# KiCad board HandheldPIC32.kicad_pcb (continued)
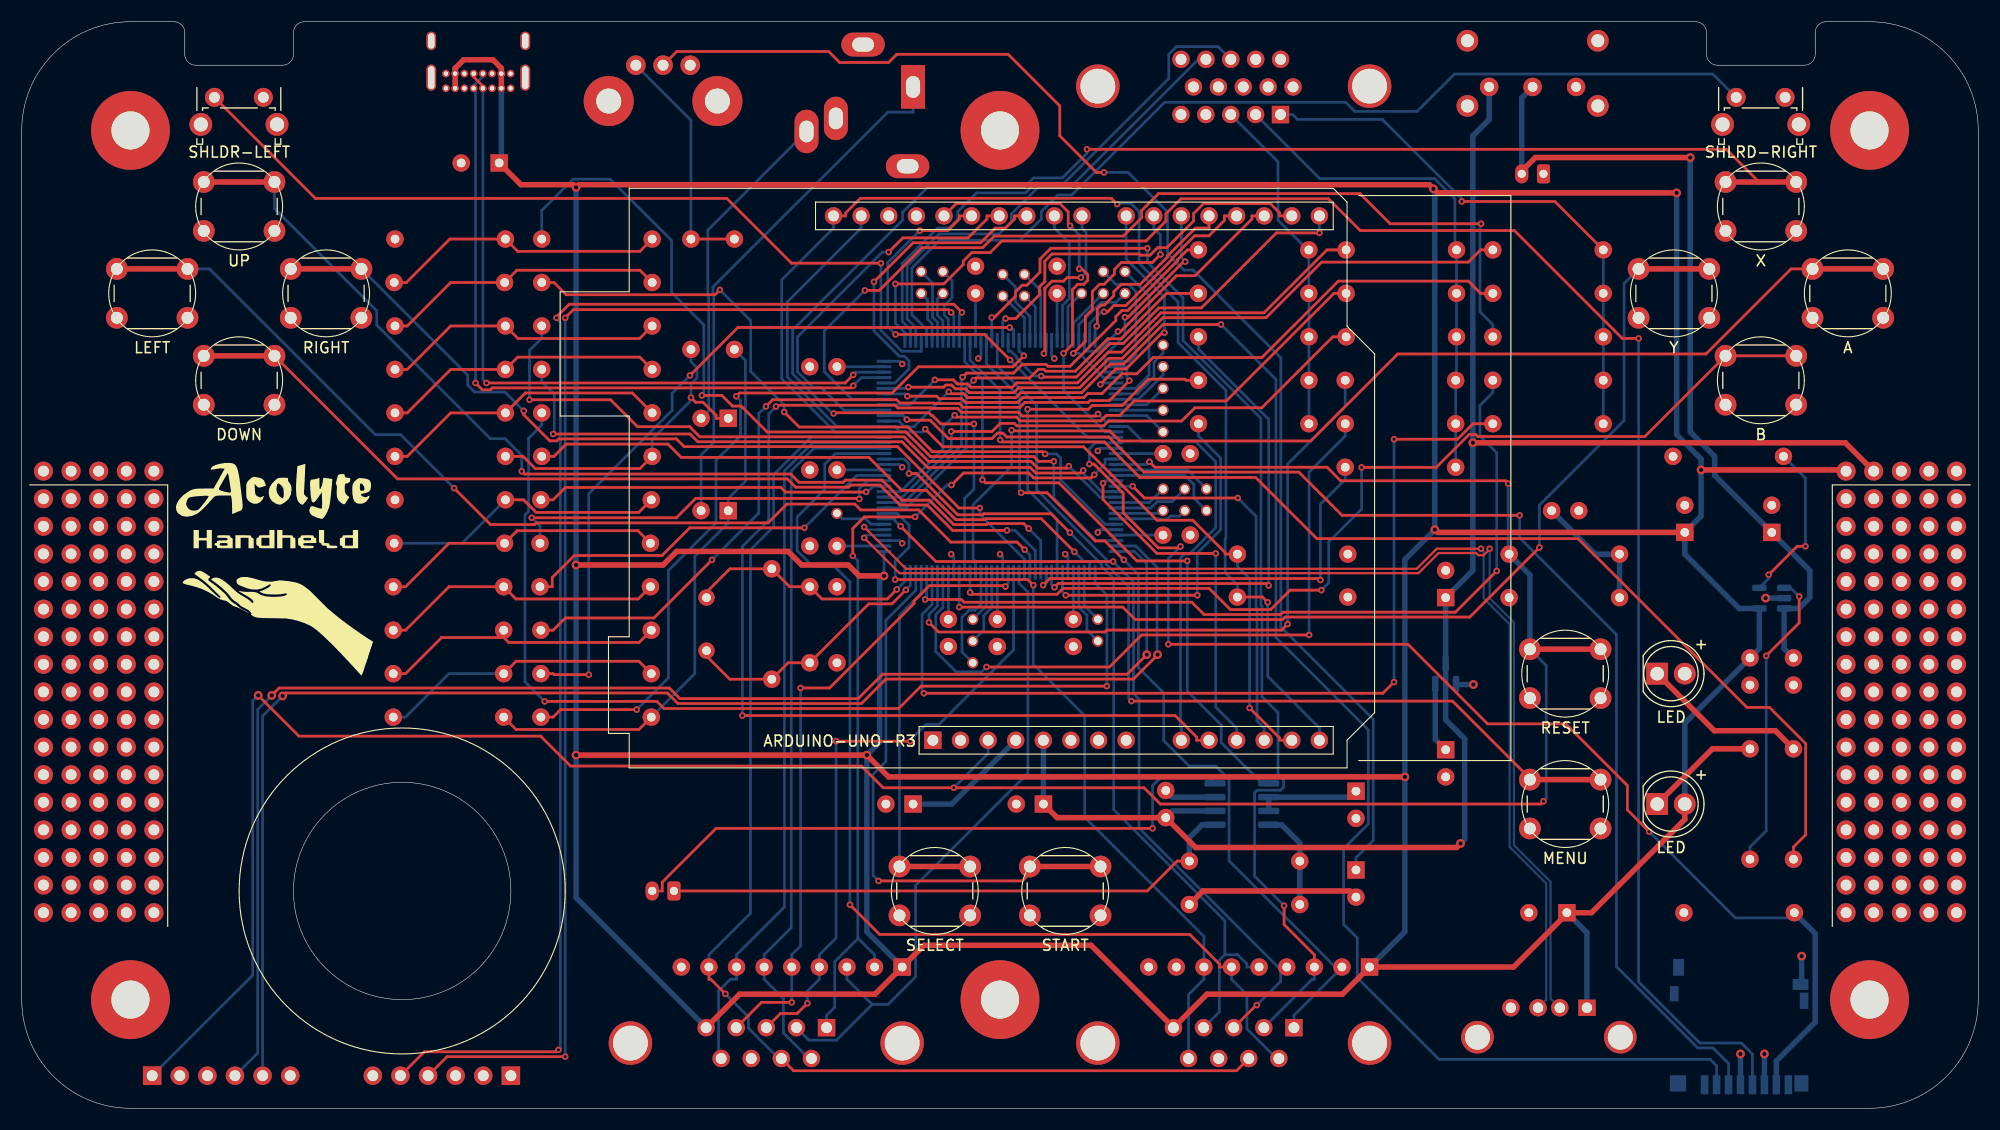
[diagram p0: board, top side]
## Routing (per net, layer and track width the routed paths; a pad name or vN(x,y) marks a point on that pad's centre or on a via; arc(x,y) is an arc through that point) (continued)
CLKO: length 22.3
  Top w0.25: Y1.2 63,47.5 65.15,49.65 R9.2 70.65,48 C3.1 73.62,46.88 79.62,46.88 v1(80.5,47.75)
  Bottom w0.25: v1(80.5,47.75) 81.25,48.5 U1.72
D+: length 106.1
  Top w0.2: v1(134.25,51.5) 130.18,51.5 128.33,49.65 81.35,49.65 v1(77.5,53.5)
  Bottom w0.2: v1(134.25,51.5) 134.5,51.25 134.5,46.93 136.88,44.55 136.88,24.05 140.25,20.68 140.25,10 J6.3 ; v1(77.5,53.5) 77.75,53.25 U1.77
D-: length 106.9
  Top w0.2: v1(135.05,51.5) 135.05,51.45 134.5,50.9 134,50.9 133.8,51.1 130.35,51.1 128.5,49.25 80.75,49.25 v1(77.5,52.5)
  Bottom w0.2: v1(135.05,51.5) 135.05,46.95 137.28,44.72 137.28,24.22 140.65,20.85 140.65,10.1 J6.2 ; v1(77.5,52.5) 77.75,52.75 U1.76
FT232RL-RX: length 119.9
  Top w0.25: v1(50,72.75) 50.75,73.5 85.25,73.5 v1(85.5,73.25) ; J3.4 39.13,4.75 v1(50,4.75)
  Bottom w0.25: U1.118 85.75,73 v1(85.5,73.25) ; v1(50,72.75) v1(50,4.75)
FT232RL-TX: length 124
  Top w0.25: v1(86.5,73.25) 85.75,74 50.37,74 49.38,73.01 49.38,72.92 v1(49.2,72.75) ; v1(49.38,5.38) 49.2,5.2 37.04,5.2 J3.5
  Bottom w0.25: v1(86.5,73.25) 86.25,73 U1.119 ; v1(49.2,72.75) 49.2,72.67 49.55,72.32 49.55,5.55 v1(49.38,5.38)
GREEN: length 46.3
  Bottom w0.25: J1.2 119.41,85.57 129.98,85.57 131.85,83.69 131.85,79.15 R5.1 R4.1 R3.1 132,67.08 R15.1 R14.1 R13.1
GREEN-A: length 49
  Top w0.25: R5.2 120.08,79 114.29,73.21 104.8,73.21 101.19,69.6 99.97,69.6 97.13,66.76 91.54,66.76 91.13,66.36 87.32,66.36 87.02,66.66 86.07,66.66 85.7,67.04 v1(84.01,67.04)
  Bottom w0.25: U1.100 81.72,64.75 v1(84.01,67.04)
GREEN-B: length 51.7
  Top w0.25: R4.2 120.71,75 110.81,65.1 102.35,65.1 101.02,63.77 99.78,63.77 99.27,63.26 91.86,63.26 91.51,63.61 86,63.61 v1(85.83,63.79)
  Bottom w0.25: v1(85.83,63.79) 84.76,62.72 84.76,60.66 80.85,56.75 U1.84
GREEN-C: length 49.7
  Top w0.25: v1(85.52,62.29) 89.27,62.29 90.01,63.03 91.32,63.03 91.54,62.81 99.55,62.81 99.99,63.25 106.71,63.25 107.93,64.47 114.09,64.47 120.62,71 R3.2
  Bottom w0.25: v1(85.52,62.29) 85.52,60.74 81.02,56.25 U1.83
GREEN-D: length 63.2
  Top w0.25: v1(116.46,44.56) 115.91,44.01 99.83,44.01 99.66,43.83 84.35,43.83 v1(83.46,44.72)
  Bottom w0.25: U1.66 84.25,46.23 83.46,45.45 v1(83.46,44.72) ; R15.2 121.76,64.59 116.46,59.29 v1(116.46,44.56)
GREEN-E: length 64.9
  Top w0.25: v1(118.44,43.56) 103.02,43.56 100.08,40.62 v1(88.76,40.62)
  Bottom w0.25: R14.2 121.76,61.87 118.44,58.55 v1(118.44,43.56) ; U1.65 84.75,46.1 84.09,45.44 84.09,42.04 85.96,40.17 88.31,40.17 v1(88.76,40.62)
GREEN-F: length 38.5
  Top w0.25: v1(93.97,48.14) 94.58,48.75 119.34,48.75 v1(119.48,48.62)
  Bottom w0.25: v1(119.48,48.62) 119.48,55.59 121.76,57.87 R13.2 ; v1(93.97,48.14) 94.15,48.33 94.25,48.33 U1.46
H-SYNC: length 48.1
  Bottom w0.25: U1.110 81.75,71.67 81,72.42 81,77.75 84.26,81 85.32,81 86.12,81.8 86.12,82.52 87.84,84.25 92.36,84.25 93.28,85.17 95.92,85.17 105.53,94.78 105.53,97 106.24,97.71 110.06,97.71 111.24,96.54
I2C-SCL: length 114.9
  Top w0.25: R35.2 114.15,47.05 v1(114.63,46.57) ; v1(100.77,83.21) 100.24,83.75 77.15,83.75 75.81,82.41 75.81,82.13 A1.32
  Bottom w0.25: A1.32 74.69,81 69.92,76.24 69.92,67.15 74.82,62.25 U1.95 ; R35.2 111.84,48.18 110.71,49.3 110.71,52.38 110.78,52.45 110.78,66.08 106.38,70.48 106.38,74.2 102.79,77.79 102.79,82.54 102.04,83.3 100.86,83.3 v1(100.77,83.21) ; v1(114.63,46.57) 114.63,39.75 119.38,35 A1.14
I2C-SDA: length 86
  Top w0.25: v1(83.12,62.51) 84.75,60.88 97.69,60.88 104.45,54.12 107.74,54.12 110.71,51.14 110.71,51 R38.2 ; v1(112.97,36.84) 115.72,34.09 115.72,33.87 A1.13
  Bottom w0.25: v1(112.97,36.84) 112.97,48.75 111.84,49.87 R38.2 ; v1(83.12,62.51) 82.86,62.24 80.84,62.24 80.33,62.75 U1.96 74.99,62.75 70.43,67.31 70.43,74.21 77.22,81 A1.31
JOY-A-BUTTON1: length 66.5
  Bottom w0.25: J8.6 72.42,4.58 70.08,6.92 70.08,10.1 68.3,11.87 RN1.6 68.3,14.13 70.8,16.62 70.8,58.65 72.89,60.75 U1.92
JOY-A-BUTTON2: length 67.3
  Bottom w0.25: U1.93 72.76,61.25 70.17,58.66 70.17,18.53 65.76,14.13 RN1.7 65.76,11.87 65.19,11.87 64.11,10.79 64.11,4.82 J8.9
JOY-A-DOWN: length 60.1
  Bottom w0.25: U1.51 91.75,48.33 92.57,47.51 92.57,30.84 82.23,20.51 82.23,12.1 79.69,9.56 78.24,9.56 ; 78.24,9.56 74.95,6.27 72.42,6.27 J8.2 ; 78.24,9.56 75.92,11.87 RN1.3
JOY-A-LEFT: length 56.9
  Top w0.25: v1(72.28,9.66) 71.34,8.72 69.8,8.72 J8.3 ; v1(81.74,33.78) v1(74.92,33.78)
  Bottom w0.25: v1(81.74,33.78) 81.74,33.88 83.19,35.33 84.39,35.33 91.25,42.19 U1.52 ; v1(74.92,33.78) 74.92,15.67 73.38,14.13 RN1.4 73.38,11.87 72.28,10.77 v1(72.28,9.66)
JOY-A-RIGHT: length 59.7
  Top w0.25: J8.4 68.06,9.75 v1(70.84,9.75) ; v1(71.65,38.68) 74.32,38.68 82.1,46.46 82.1,46.69 83.51,48.1 90.42,48.1 v1(90.5,48.02)
  Bottom w0.25: U1.53 90.75,48.27 v1(90.5,48.02) ; v1(71.65,38.68) 71.65,14.94 70.84,14.13 RN1.5 v1(70.84,9.75)
JOY-A-UP: length 78.1
  Top w0.25: v1(85.53,57.36) 86.65,58.47 92.65,58.47 93.11,58.01 98.38,58.01 v1(98.67,58.31) ; v1(76.46,50.84) 76.46,53.36 77.53,54.43 v1(82.19,54.43)
  Bottom w0.25: 76.92,15.61 74.79,13.49 74.79,9.3 74.04,8.55 J8.1 ; 76.92,15.61 76.92,50.38 v1(76.46,50.84) ; 76.92,15.61 76.97,15.61 78.46,14.13 RN1.2 ; v1(82.19,54.43) 85.12,57.36 v1(85.53,57.36) ; v1(98.67,58.31) 99.67,59.31 99.67,59.75 U1.19
JOY-B-BUTTON1: length 98.6
  Top w0.25: RN2.6 110.17,13 110.17,13.28 107.46,16 78.93,16 v1(76.2,18.73)
  Bottom w0.25: J9.6 115.44,4.58 112.71,7.31 112.71,10.46 111.3,11.87 RN2.6 ; v1(76.2,18.73) 76.2,48.44 74.76,49.88 72.78,49.88 71.34,51.31 71.34,54.42 73.87,56.96 73.87,59.27 74.85,60.25 U1.91
JOY-B-BUTTON2: length 71.9
  Top w0.25: v1(93.07,48.14) 92.55,48.66 v1(80.36,48.66)
  Bottom w0.25: v1(93.07,48.14) 93.07,40.85 97.79,36.13 97.79,26.78 108.76,15.82 RN2.7 108.76,11.87 107.34,10.46 J9.9 ; v1(80.36,48.66) 80.36,50.36 81.64,51.64 81.64,53.66 80.55,54.75 U1.80
JOY-B-DOWN: length 103.6
  Top w0.25: v1(103.56,79.15) 94.67,79.15 93.67,78.15 93.67,76.95 92.48,75.75 92.03,75.75 91.42,75.13 91.42,74.72 89.47,72.78 v1(89.24,72.78) ; v1(116.14,18.64) 116.14,16.91 118.92,14.13 RN2.3
  Bottom w0.25: v1(89.24,72.78) 89.24,71.69 89.25,71.67 U1.125 ; RN2.3 118.92,11.87 118.72,11.87 J9.2 ; v1(116.14,18.64) 113.42,21.36 113.42,29.05 113.65,29.27 115.8,29.27 116.1,29.56 116.1,30.23 115.57,30.76 115.57,36.41 114.09,37.89 114.09,46.22 114.01,46.31 114.01,63.49 106.83,70.66 106.83,74.59 103.56,77.87 v1(103.56,79.15)
JOY-B-LEFT: length 74.6
  Top w0.25: v1(113.63,9.5) 113.58,9.5 J9.3 ; v1(80.85,53.57) 84.09,50.32 v1(100.4,50.32)
  Bottom w0.25: 115.82,13 115.82,11.68 v1(113.63,9.5) ; 115.82,13 RN2.4 ; 115.82,13 115.58,13 102.8,25.78 102.8,37.65 102.28,38.16 102.28,48.45 v1(100.4,50.32) ; U1.79 80.33,54.25 80.33,54.09 v1(80.85,53.57)
JOY-B-RIGHT: length 76.6
  Top w0.25: v1(96.43,52.98) 94.69,54.71 88.5,54.71 88.41,54.62 86.11,54.62 82.32,58.42 v1(81.63,58.42)
  Bottom w0.25: J9.4 110.17,8.86 110.17,13.62 110.69,14.13 ; RN2.5 112.71,13 112.71,13.28 111.86,14.13 110.69,14.13 ; 110.69,14.13 110.69,17.26 100.46,27.48 100.46,48.75 99.33,49.88 99.33,50.08 v1(96.43,52.98) ; U1.90 81.19,59.75 81.63,59.32 v1(81.63,58.42)
JOY-B-UP: length 82.1
  Top w0.25: v1(91.95,56.65) 94.33,56.65 98.76,52.21 99.65,52.21 v1(101.4,50.47)
  Bottom w0.25: RN2.2 120.91,13 ; 120.91,13 120.91,12.42 117.04,8.55 J9.1 ; 120.91,13 120.84,13 111.08,22.77 111.08,30.27 109.85,31.5 107.41,31.5 105.06,33.84 105.06,38.22 102.73,40.55 102.73,49.13 v1(101.4,50.47) ; v1(91.95,56.65) 91.8,56.79 91.8,65.47 88.75,68.52 U1.124
JOY-SELECT: length 114.7
  Top w0.25: v1(64.73,10.53) 63.39,11.87 63.22,11.87 RN1.8 ; J9.7 111.76,3.45 71.01,3.45 J8.7
  Bottom w0.25: RN1.8 63.22,14.13 67.04,17.95 67.04,51.4 69.17,53.53 69.17,58.3 72.62,61.75 U1.94 ; J8.7 69.65,4.58 66.86,7.37 66.86,8.41 v1(64.73,10.53)
LCD-CS: length 35
  Top w0.25: v1(111.87,56.17) 103.29,56.17 v1(102.2,57.25)
  Bottom w0.25: A1.12 114.31,35 113.64,35.66 113.64,46.03 113.56,46.12 113.56,54.48 v1(111.87,56.17) ; U1.24 102.2,57.25 v1(102.2,57.25)
LCD-D0: length 17.1
  Top w0.25: v1(94.04,69.46) 94.12,69.55 94.12,75.47 94.78,76.13 95.85,76.13 96.19,76.46 v1(97.44,76.46)
  Bottom w0.25: U1.135 94.25,69.67 94.24,69.67 v1(94.04,69.46) ; v1(97.44,76.46) 97.91,76.93 97.91,80.64 97.54,81 A1.23
LCD-D1: length 12.3
  Bottom w0.25: U1.138 95.75,73.89 96.38,74.51 96.38,79.63 95,81 A1.24
LCD-D2: length 22.9
  Top w0.25: v1(100.85,71.49) 101.1,71.49 106.23,76.62 107.95,76.62 113.18,81.85 113.18,82.13 A1.17
  Bottom w0.25: v1(100.85,71.49) 99.03,69.67 97.75,69.67 U1.142
LCD-D3: length 19.5
  Top w0.25: v1(99.58,73.3) 99.89,73.3 100.47,73.88 101.57,73.88 105.87,78.18 105.87,78.27 107.9,80.29 109.23,80.29 110.64,81.71 110.64,82.13 A1.18
  Bottom w0.25: U1.143 98.25,72.23 99.32,73.3 v1(99.58,73.3)
LCD-D4: length 17.7
  Top w0.25: A1.19 109.22,81 107.97,81 105.42,78.46 105.42,78.36 102.89,75.83 101.15,75.83 100.47,75.15 100.47,74.79 99.61,73.93 99.32,73.93 98.95,73.56 98.95,72.04 v1(98.9,71.98)
  Bottom w0.25: U1.144 98.75,71.84 v1(98.9,71.98)
LCD-D5: length 18.8
  Top w0.25: v1(107.04,77.92) 106.89,77.92 101.77,72.8 v1(101.49,72.8)
  Bottom w0.25: A1.20 106.69,78.28 v1(107.04,77.92) ; v1(101.49,72.8) 101.49,71.11 99.67,69.29 99.67,67.75 U1.3
LCD-D6: length 23
  Top w0.25: v1(96.74,69.48) 97.85,70.58 97.85,72.86 98.5,73.51 98.5,75.18 99.15,75.83 99.58,75.83 100.52,76.77 100.52,77.2 101.15,77.83 104.01,77.83 v1(104.76,78.58)
  Bottom w0.25: U1.4 99.53,67.25 97.3,69.48 v1(96.74,69.48) ; A1.21 104.15,81 104.76,80.39 v1(104.76,78.58)
LCD-D7: length 21.6
  Top w0.25: v1(105.13,71.38) 104.93,71.38 101.59,68.04 100.65,68.04 v1(99.23,66.63)
  Bottom w0.25: A1.22 101.6,78.16 105.13,74.64 v1(105.13,71.38) ; v1(99.23,66.63) 99.36,66.75 U1.5
LCD-RD: length 37.8
  Bottom w0.25: U1.13 101.76,62.75 103.12,61.4 107.96,61.4 109.85,59.51 109.85,53.43 107.42,51 106.97,51 106.61,50.64 106.61,35.08 106.69,35 A1.9
LCD-RS: length 33.2
  Top w0.25: v1(109.84,51.06) 104.44,51.06 99.48,56.03 v1(99.48,57.53)
  Bottom w0.25: v1(109.84,51.06) 109.84,36.92 111.76,35 A1.11 ; v1(99.48,57.53) 99.67,57.72 99.67,57.75 U1.23
LCD-WR: length 105.8
  Top w0.25: v1(99.02,63.9) 98.83,63.71 92.04,63.71 91.69,64.06 86.44,64.06 86.09,64.41 83.71,64.41 83.67,64.46 80.6,64.46 80.36,64.7 69.51,64.7 v1(69.39,64.58) ; v1(66.3,36.14) 106.11,36.14 108.1,34.15 108.1,33.87 A1.10
  Bottom w0.25: v1(99.02,63.9) 99.67,63.25 U1.12 ; v1(69.39,64.58) 68.72,63.91 68.72,54.13 66.3,51.71 v1(66.3,36.14)
LED: length 107.1
  Top w0.25: v1(90.01,61.51) 90.18,61.33 99.6,61.33 102.87,58.06 113.51,58.06 119.15,52.42 143.19,52.42 158.71,36.9 160.79,36.9 164.13,33.56 164.13,25.17 163,24.05 R25.2
  Bottom w0.25: v1(90.01,61.51) 90.01,66.09 87.25,68.85 U1.121
MCLR: length 241.5
  Top w0.25: v1(140,28.25) 139.75,28 104.75,28 103.25,29.5 v1(85.75,29.5) 79.25,29.5 77.25,31.5 50.49,31.5 47.74,34.25 25.5,34.25 v2(21.75,38) ; v1(136.75,57.5) 136.5,57.75 121.34,57.75 120.09,59 104.25,59 v1(103.75,59.5)
  Top w0.5: SW15.1 SW15.1
  Bottom w0.25: J2.1 21.25,12.25 21.25,37.5 v2(21.75,38) ; SW15.1 140.25,40.75 140.25,28.5 v1(140,28.25) ; U1.20 103.5,59.25 v1(103.75,59.5) ; v1(85.75,29.5) 88.91,32.66 A1.3 ; v1(136.75,57.5) 136.75,51.09 R18.2
  Bottom w0.5: SW15.1 138.75,49.09 R18.2
MENU: length 84.6
  Top w0.25: 138.86,30.25 131.63,37.47 v1(102.09,37.47)
  Top w0.5: SW12.1 SW12.1
  Bottom w0.25: U1.126 89.75,68.3 93.37,64.68 93.37,56.92 99.78,50.51 99.78,50.06 101.83,48.01 101.83,37.73 v1(102.09,37.47)
PGEC: length 131.3
  Top w0.25: v2(24,37.95) 24.28,38.22 59.39,38.22 60.36,37.25 77.25,37.25 79.5,39.5 102.28,39.5 104.22,41.45 104.22,41.47 v2(104.5,41.75)
  Bottom w0.25: v2(24,37.95) 22.16,36.11 J2.5 ; U1.35 102.5,51.75 104.45,49.8 104.45,41.8 v2(104.5,41.75)
PGED: length 131
  Top w0.25: v2(23,38) 23.67,38.67 59.58,38.67 60.55,37.7 76.95,37.7 79.2,39.95 101.7,39.95 v2(103.5,41.75)
  Bottom w0.25: J2.4 21.71,5.09 21.71,36.71 v2(23,38) 23,37.92 ; v2(103.5,41.75) 103.5,50.11 102.36,51.25 U1.36
PORTA0: length 10.4
  Bottom w0.25: TP14.1 107.83,56.17 107.83,57.42 107,58.25 U1.22
PORTA1: length 7.1
  Bottom w0.25: U1.56 89.25,46.09 88.5,45.34 88.5,44 TP13.1
PORTA9: length 4.8
  Bottom w0.25: TP15.1 97.75,46.25 U1.39
PORTA10: length 7.1
  Bottom w0.25: U1.40 97.25,46.11 98,45.36 98,44 TP16.1
PORTC1: length 14
  Bottom w0.25: TP17.1 103.72,74.78 103.72,67.49 102.48,66.25 U1.6
PORTC2: length 4.9
  Bottom w0.25: TP88.1 103.5,63.75 U1.11
PORTF12: length 9.8
  Bottom w0.25: TP90.1 86.5,42 86.5,45.18 87.16,45.83 87.7,45.83 88.25,46.39 U1.58
PORTF13: length 4.8
  Bottom w0.25: TP91.1 88.75,46.25 U1.57
PORTG9: length 9.1
  Bottom w0.25: U1.21 107.25,58.75 TP108.1
PORTG12: length 5.5
  Bottom w0.25: U1.140 96.75,72.25 TP109.1
PORTG13: length 6.9
  Bottom w0.25: U1.141 97.25,72.11 99.3,74.17 100.67,74.17 TP110.1
PORTG14: length 4.8
  Bottom w0.25: U1.139 96.25,73.75 TP111.1
PORTG15: length 11.6
  Bottom w0.25: TP112.1 100.67,75.83 101.84,75.83 102.5,75.18 102.5,69.38 101.88,68.75 U1.1
PORTJ0: length 4.7
  Bottom w0.25: U1.114 83.75,72.21 83.34,72.61 83.34,74.41 TP92.1
PORTJ1: length 6.9
  Bottom w0.25: U1.115 84.25,72.34 83.79,72.8 83.79,75.96 TP93.1
PORTJ2: length 4.7
  Bottom w0.25: TP94.1 84.24,74.49 84.24,72.99 84.75,72.48 U1.116
PORTJ3: length 7.1
  Bottom w0.25: U1.117 85.25,72.62 85.24,72.62 84.88,72.99 84.88,73.88 85.58,74.58 85.58,76.17 TP95.1
PORTJ4: length 4.9
  Bottom w0.25: U1.131 92.25,72.75 TP96.1
PORTJ5: length 7.1
  Bottom w0.25: U1.132 92.75,72.89 91.42,74.22 91.42,75.58 TP97.1
PORTJ6: length 4.5
  Bottom w0.25: TP98.1 93.25,73.75 U1.133
PORTJ7: length 6.7
  Bottom w0.25: U1.134 93.75,75.25 TP99.1
PORTJ8: length 7.4
  Bottom w0.25: TP100.1 105,69.5 104.17,68.67 104.17,67.3 102.61,65.75 U1.7
PORTJ9: length 6
  Bottom w0.25: TP101.1 105,67.5 102.75,65.25 U1.8
PORTJ10: length 4.3
  Bottom w0.25: TP102.1 U1.10
PORTJ11: length 4.8
  Bottom w0.25: TP103.1 103.75,55.75 U1.27
PORTJ12: length 4.9
  Bottom w0.25: U1.9 103.5,64.75 TP104.1
PORTJ13: length 7.1
  Bottom w0.25: U1.28 103.89,55.25 104.47,55.83 105.83,55.83 TP105.1
PORTJ14: length 4.4
  Bottom w0.25: TP106.1 104.75,54.75 U1.29
PORTJ15: length 6.7
  Bottom w0.25: TP107.1 106.5,54.5 105.68,54.5 105.34,54.17 104.66,54.17 104.57,54.25 U1.30
RED: length 51
  Top w0.25: R8.1 141.04,83.46 v1(132.48,83.46)
  Bottom w0.25: R16.1 R17.1 R6.1 R7.1 R8.1 ; J1.1 116.93,91.46 117.38,91.01 125.17,91.01 132.48,83.7 v1(132.48,83.46)
RED-A: length 61.9
  Top w0.25: R8.2 134.21,79 133.09,77.87 119.59,77.87 114.47,72.76 104.99,72.76 101.25,69.02 100.03,69.02 97.32,66.31 91.72,66.31 91.27,65.86 87.18,65.86 86.83,66.21 85.89,66.21 85.54,66.56 85.02,66.56 84.82,66.37 v1(81.57,66.37)
  Bottom w0.25: v1(81.57,66.37) 81.45,66.25 U1.103
RED-B: length 61.4
  Top w0.25: v1(81.48,65.54) 84.18,65.54 84.41,65.31 86.46,65.31 86.81,64.96 91.64,64.96 92.1,65.41 97.72,65.41 98.08,65.78 99.39,65.78 101.2,67.59 102.58,67.59 104.09,69.09 114.1,69.09 121.13,76.13 133.09,76.13 134.21,75 R7.2
  Bottom w0.25: v1(81.48,65.54) 81.27,65.75 U1.102
RED-C: length 88.4
  Top w0.25: v1(77.57,75.28) 78.9,75.28 82.82,79.2 88.39,79.2 89.46,80.27 101.34,80.27 103.02,81.95 103.02,82.62 104.58,84.18 123.12,84.18 125.89,81.41 v1(134.26,81.41)
  Bottom w0.25: U1.101 76.38,65.25 73.83,67.8 73.83,71.54 v1(77.57,75.28) ; R6.2 135.34,72.13 134.16,73.3 134.16,81.31 v1(134.26,81.41)
RED-D: length 76.1
  Top w0.25: v1(135.7,49.45) 131.9,45.66 116.04,45.66 115.82,45.44 108.78,45.44 107.64,46.58 86.69,46.58 86.44,46.82 v1(83.12,46.82)
  Bottom w0.25: v1(135.7,49.45) 135.7,60.34 134.15,61.88 134.15,64.69 135.34,65.87 R17.2 ; v1(83.12,46.82) 83.25,46.96 U1.68
RED-E: length 87.3
  Top w0.25: v1(126.25,61.57) 132.09,61.57 133.51,63 R16.2 ; v1(83,38.2) 125.22,38.2 v1(126.25,39.23)
  Bottom w0.25: v1(126.25,61.57) v1(126.25,39.23) ; v1(83,38.2) 82.83,38.36 82.83,45.45 83.75,46.37 U1.67
SPI-CLK: length 37.2
  Top w0.25: A1.28 85.97,83.26 95.51,83.26 96.28,82.49 96.28,81.39 v1(96.45,81.22) ; v1(97.28,77.26) 97.52,77.26 98.07,76.71 98.07,76.2 97.71,75.83 97.15,75.83 96.67,75.35 96.67,70.3 v1(95.84,69.48)
  Bottom w0.25: v1(95.84,69.48) 95.84,66.08 99.67,62.25 U1.14 ; v1(96.45,81.22) 97.28,80.38 v1(97.28,77.26)
SPI-MISO: length 40.8
  Top w0.25: v1(90.93,68.87) 88.57,71.22 v1(80.39,71.22) ; v1(82.63,80.78) 85.19,80.78 86.26,81.85 86.26,82.13 A1.27
  Bottom w0.25: v1(82.63,80.78) 79.67,77.82 79.67,71.95 v1(80.39,71.22) ; v1(90.93,68.87) 98.04,61.75 U1.15
SPI-MOSI: length 36
  Top w0.25: v1(79.76,78.8) 81.06,80.1 87.06,80.1 88.8,81.85 88.8,82.13 A1.26
  Bottom w0.25: v1(79.76,78.8) 79.17,78.8 71.37,71 71.37,67.78 72.8,66.35 73.54,66.35 75.64,64.25 U1.99
SPI-SS: length 29.2
  Top w0.25: v1(78.4,76.06) 82,79.65 88.21,79.65 89.56,81 90.5,81 91.34,81.85 91.34,82.13 A1.25
  Bottom w0.25: v1(78.4,76.06) 78.4,71.55 80.73,69.22 81.2,69.22 81.63,68.79 81.63,68.05 80.33,66.75 U1.104
STAT: length 27.8
  Top w0.25: v1(160.49,41.64) 163.53,44.68 v1(163.53,47.1)
  Bottom w0.25: U3.1 162.73,47.9 v1(163.53,47.1) ; v1(160.49,41.64) 160.49,25.54 159,24.05 R36.2
TF-CLK: length 158.3
  Top w0.25: v1(148.75,70.85) 147.25,70.85 137.32,80.78 123.14,80.78 120.22,83.71 106.64,83.71 105.27,82.33 105.27,81.66 103.43,79.82 90.17,79.82 89.1,78.75 87.4,78.75 86.62,77.97 86.62,77.66 84.83,75.87 v1(80.38,75.87)
  Bottom w0.25: U1.109 81.25,71.37 80.38,72.25 v1(80.38,75.87) ; J11.5 159.22,4.98 158.2,6 154.38,6 148.75,11.63 v1(148.75,70.85)
TF-CS: length 140.9
  Top w0.25: v1(85.28,65.94) 85.45,65.76 86.65,65.76 87,65.41 91.46,65.41 91.91,65.86 97.51,65.86 100.14,68.49 101.36,68.49 105,72.13 v1(110.33,72.13)
  Bottom w0.25: v1(110.33,72.13) 115.39,67.08 115.39,43.32 123.88,34.82 123.88,26.16 121.61,23.89 121.61,16.93 122.87,15.67 122.87,12.02 130.39,4.5 155.33,4.5 155.93,3.91 J11.2 ; U1.97 80.68,63.25 81.2,62.73 82.07,62.73 v1(85.28,65.94)
TF-MISO: length 114.2
  Top w0.25: v1(105.49,42.7) 127.53,42.7 134.86,35.38 142.04,35.38 147.72,29.7 147.72,27.46 v1(149.72,25.46) ; v1(106.61,51.7) 106.48,51.57 104.57,51.57 101.34,54.8 101.34,56.59 98.64,59.29 v1(98.22,59.29)
  Bottom w0.25: U1.16 98.78,61.25 98.22,60.69 v1(98.22,59.29) ; v1(106.61,51.7) 105.49,50.58 v1(105.49,42.7) ; 163.56,17.52 157.66,17.52 v1(149.72,25.46)
  Bottom w0.5: J11.7 161.43,4.36 165,7.93 165,16.08 R22.1
TF-MOSI: length 123.9
  Top w0.25: v1(81.43,63.38) 81.48,63.33 83.57,63.33 85.27,61.63 89.25,61.63 89.75,62.13 90.27,62.13 90.62,61.78 100.01,61.78 103.24,58.55 117.49,58.55 121.47,54.57 v1(137.81,54.57)
  Bottom w0.25: J11.3 157.03,4.13 155.6,5.55 154.2,5.55 146.71,13.04 146.71,43.59 137.81,52.5 v1(137.81,54.57) ; U1.98 81.06,63.75 v1(81.43,63.38)
UART-RX: length 37.8
  Top w0.25: v1(93.79,67.39) 93.88,67.3 97.03,67.3 100.11,70.37 101.32,70.37 104.61,73.66 108.52,73.66 115.43,80.56 v1(119.38,80.56)
  Bottom w0.25: A1.15 v1(119.38,80.56) ; U1.128 90.75,69.67 91.01,69.67 91.55,69.13 91.55,68.99 93.16,67.39 v1(93.79,67.39)
UART-TX: length 35.5
  Top w0.25: A1.16 115.72,82.13 115.72,82.41 114.88,83.26 108.72,83.26 107.81,82.35 107.81,81.66 105.35,79.2 104.5,79.2 103.81,78.51 102.91,78.51 102.8,78.63 94.78,78.63 94.12,77.97 94.12,76.1 93.62,75.59 93.62,74.85 91.44,72.68 v1(90.51,72.68)
  Bottom w0.25: U1.127 90.25,72.42 v1(90.51,72.68)
USB-RX: length 66
  Top w0.25: J10.B7 41.58,94.92 42.42,94.08 42.42,93.88 ; v1(42.75,66.75) 75.75,66.75 v1(76.5,67.5)
  Bottom w0.25: v1(76.5,67.5) 76.75,67.75 U1.106 ; 42.42,93.88 42.42,67.08 v1(42.75,66.75)
USB-TX: length 67.2
  Top w0.25: v1(41.75,66.75) 42.38,66.12 43.12,66.12 43.3,66.3 76.3,66.3 v1(76.5,66.5)
  Bottom w0.25: v1(76.5,66.5) 77.25,67.25 U1.105 ; v1(41.75,66.75) 41.75,93.7 J10.A6 41.58,94.1 42.42,94.95 42.42,95.22
USBID: length 4.7
  Bottom w0.25: TP89.1 75.5,54.25 77.63,54.25 78.13,53.75 U1.78
V-SYNC: length 43
  Bottom w0.25: J1.14 108.25,96.54 96.43,84.72 93.46,84.72 91.05,82.31 91.05,81.61 89.91,80.47 84.4,80.47 81.45,77.53 81.45,72.65 82.25,71.86 U1.111
Net-(C5-Pad2): length 11.9
  Bottom w0.5: C5.2 144.75,51 R18.1 R21.1
Net-(C19-Pad2): length 16.5
  Top w0.25: 122.47,19.72 C19.2
  Top w0.5: C19.2 122.18,20 108.67,20 R53.1
Net-(D1-K): length 15.4
  Top w0.5: R25.1 161.33,34.75 155.71,34.75 D1.1
Net-(D3-K): length 10.6
  Top w0.5: D3.1 155.54,33.08 R36.1
Net-(R19-Pad1): length 26.3
  Top w0.25: R24.2 35.31,48 39.31,52 R19.1 45.58,53.16 56.68,53.16 R31.1
Net-(R19-Pad2): length 26.3
  Top w0.25: R33.1 46.17,56 47.33,54.84 56.76,54.84 R32.1
  Bottom w0.25: R19.2 40.5,52 R33.1
Net-(R23-Pad1): length 26.3
  Top w0.25: R29.1 45.48,41.14 56.78,41.14 R23.1
  Bottom w0.25: R34.2 35.31,36 39.31,40 R29.1
Net-(R24-Pad1): length 26.2
  Top w0.25: R27.2 35.31,44 39.31,48 R24.1 45.47,46.87 56.71,46.87 R28.1
Net-(R26-Pad1): length 26.4
  Top w0.25: R26.1 56.79,42.87 44.79,42.87 44.34,43.32 ; R29.2 35.31,40 38.63,43.32 44.34,43.32 ; 44.34,43.32 R27.1
Net-(R30-Pad1): length 26.3
  Top w0.25: R40.2 35.39,76 39.39,80 R30.1 45.63,78.87 56.87,78.87 R39.1
Net-(R40-Pad1): length 26.3
  Top w0.25: R41.1 56.87,77.13 45.55,77.13 R40.1 39.47,76 35.47,72 R42.2
Net-(R42-Pad1): length 26.3
  Top w0.25: R43.1 56.84,70.84 45.66,70.84 R42.1 39.47,72 35.47,68 R44.2
Net-(R44-Pad1): length 26.3
  Top w0.25: R45.1 56.87,69.13 45.63,69.13 R44.1 39.47,68 35.47,64 R46.2
Net-(R46-Pad1): length 26.8
  Top w0.25: R48.2 35.47,60 39.47,64 R46.1 46.33,65.83 56.17,65.83 R47.1
Net-(R50-Pad2): length 22.1
  Top w0.25: R51.1 R50.2
  Bottom w0.25: RV1.1 61.57,90.93 R51.1
Net-(U2-+IN): length 9.5
  Bottom w0.5: C18.1 122.2,28.64 U2.2 U2.3
Net-(U2--IN): length 9.2
  Bottom w0.5: R53.2 R54.1 117.58,24.42 115.91,26.09 U2.4
Net-(U3-PROG): length 15.1
  Top w0.25: v1(164.1,51.72) 163.34,51.72 v1(160.72,49.1)
  Bottom w0.25: v1(160.72,49.1) 160.72,48.75 U3.5 ; v1(164.1,51.72) 164.1,57.98 R20.1

## Copper pours and planes (outline as drawn; the poured copper is in the pictures)
+3V3 on In1.Cu: -10,101 -10,-1 190,-1 190,101
GND on In2.Cu: -11,100 191,100 191,0 -11,0

## Text on the board
B.Silkscreen: LQFP-144 | PIC32MZ2048EFH144 | Professor Steven Chad Burrow / stevenchadburrow@gmail.com / github.com/stevenchadburrow / youtube.com/user/stevenchadburrow / May 2025
